# Altium PCB AXP221sBreakout.PcbDoc (continued)
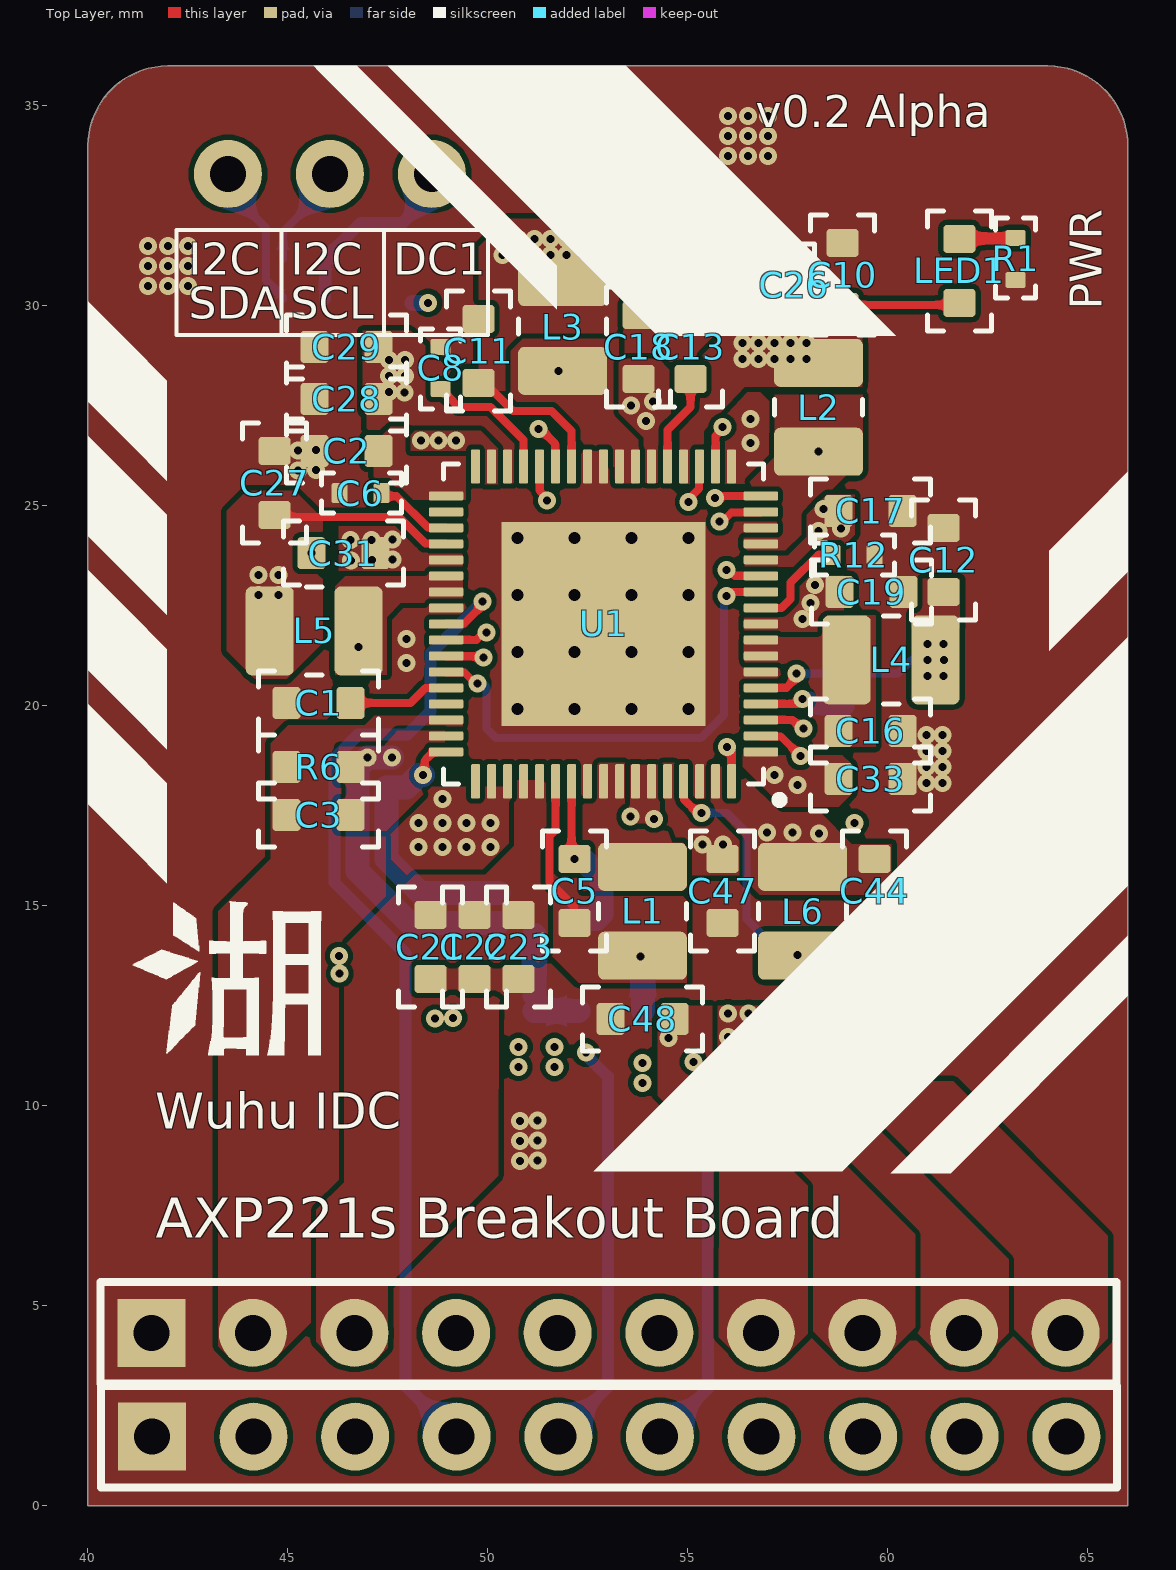
[diagram p0: Top Layer view]
## Components (designator, comment, footprint, x,y, rotation, side; value= is the part's Value field where it differs from the comment)
C1 "1uF" C0603 46.565,20.075 r180 top
C2 "1uF" C0603 47.265,26.375 r180 top
C3 "1uF" C0603 46.565,17.275 r180 top
C4 "10uF" C0603 49.565,12.375 r0 bottom
C5 "1uF" C0603 52.165,14.574 r90 top
C6 "4.7uF" C0402 47.339,25.319 r180 top
C7 "10uF" C0603 55.483,13.739 r180 bottom
C8 "4.7uF" C0402 48.815,27.924 r90 top
C9 "10uF" C0603 53.865,15.274 r90 bottom
C10 "10uF" C0603 58.865,29.974 r90 top
C11 "10uF" C0603 49.765,28.074 r90 top
C12 "10uF" C0603 61.39,22.849 r90 top
C13 "10uF" C0603 55.065,29.775 r270 top
C14 "1nF" C0603 58.265,26.354 r90 bottom
C15 "1nF" C0603 51.865,28.574 r90 bottom
C16 "1nF" C0603 58.765,19.374 r0 top
C17 "10uF" C0603 58.765,24.874 r0 top
C18 "10uF" C0603 53.765,28.174 r90 top
C19 "10uF" C0603 58.79,22.849 r0 top
C20 "4.7uF" C0603 58.965,19.975 r0 bottom
C21 "22uF" C0603 48.565,13.174 r90 top
C22 "22uF" C0603 49.665,13.174 r90 top
C23 "10uF" C0603 50.765,13.174 r90 top
C26 "0.1uF" C0402 57.661,31.051 r270 top
C27 "10uF" C0603 44.665,24.774 r90 top
C28 "10uF" C0603 47.265,27.675 r180 top
C29 "0.1uF" C0603 45.665,28.974 r0 top
C30 "1nF" C0603 46.565,21.374 r180 bottom
C31 "10uF" C0603 47.188,23.819 r180 top
C32 "10uF" C0603 49.765,27.274 r90 bottom
C33 "10uF" C0603 58.765,18.174 r0 top
C44 "10uF" C0603 59.665,16.174 r270 top
C45 "1nF" C0603 57.465,13.974 r90 bottom
C46 "10uF" C0603 59.333,23.508 r270 bottom
C47 "10uF" C0603 55.865,16.175 r270 top
C48 "4.7uF" C0603 53.065,12.174 r0 top
C49 "4.7uF" C0603 60.865,17.074 r180 bottom
C50 "4.7uF" C0603 59.165,14.175 r270 bottom
C51 "4.7uF" C0603 60.565,14.175 r270 bottom
L1 "1.5uH" L2520 53.865,13.754 r90 top
L2 "2.2uH" L2520 58.265,26.354 r90 top
L3 "2.2uH" L2520 51.865,28.374 r90 top
L4 "2.2uH" L2520 58.97,21.149 r0 top
L5 "2.2uH" L2520 46.765,21.874 r180 top
L6 "2.2uH" L2520 57.865,13.754 r90 top
LED1 "LED_RED" LED0603_RED 61.787,30.074 r90 top
Q1 "WPM1481" WPM1481 52.065,14.024 r90 bottom
R1 "330R" R0402 63.191,31.698 r270 top
R2 "10K 1%" R0402 47.065,30.074 r0 bottom
R5 "2.2K" R0402 44.878,30.172 r0 bottom
R6 "0R" R0603 46.565,18.475 r180 top
R7 "2.2K" R0402 44.878,31.178 r0 bottom
R10 "0R" R0603 53.865,12.374 r180 bottom
R12 "0R" R0402 59.665,23.774 r180 top
U1 "AXP221S" AXP221S 52.89,22.049 r180 top

## Footprints (in the part's own frame and the unit in brackets; to place one, negate y for a bottom-side part, rotate by r counter-clockwise, add the part's x,y. Pads: shape width x height; smd on the part's side, far side on the other; paste and mask are expansions set on the pad)
AXP221S [mm]
  rrect25% 0.86x0.22 smd: 1(-3.935,3.2) 2(-3.935,2.8) 3(-3.935,2.4) 4(-3.935,2) 5(-3.935,1.6) 6(-3.935,1.2) 7(-3.935,0.8) 8(-3.935,0.4) 9(-3.935,0) 10(-3.935,-0.4) 11(-3.935,-0.8) 12(-3.935,-1.2) 13(-3.935,-1.6) 14(-3.935,-2) 15(-3.935,-2.4) 16(-3.935,-2.8) 17(-3.935,-3.2) 35(3.935,-3.2) 36(3.935,-2.8) 37(3.935,-2.4) 38(3.935,-2) 39(3.935,-1.6) 40(3.935,-1.2) 41(3.935,-0.8) 42(3.935,-0.4) 43(3.935,0) 44(3.935,0.4) 45(3.935,0.8) 46(3.935,1.2) 47(3.935,1.6) 48(3.935,2) 49(3.935,2.4) 50(3.935,2.8) 51(3.935,3.2)
  rrect25% 0.22x0.86 smd: 18(-3.2,-3.935) 19(-2.8,-3.935) 20(-2.4,-3.935) 21(-2,-3.935) 22(-1.6,-3.935) 23(-1.2,-3.935) 24(-0.8,-3.935) 25(-0.4,-3.935) 26(0,-3.935) 27(0.4,-3.935) 28(0.8,-3.935) 29(1.2,-3.935) 30(1.6,-3.935) 31(2,-3.935) 32(2.4,-3.935) 33(2.8,-3.935) 34(3.2,-3.935) 52(3.2,3.935) 53(2.8,3.935) 54(2.4,3.935) 55(2,3.935) 56(1.6,3.935) 57(1.2,3.935) 58(0.8,3.935) 59(0.4,3.935) 60(0,3.935) 61(-0.4,3.935) 62(-0.8,3.935) 63(-1.2,3.935) 64(-1.6,3.935) 65(-2,3.935) 66(-2.4,3.935) 67(-2.8,3.935) 68(-3.2,3.935)
  rect 5.1x5.1 smd paste-4: 69(0,0)
  silkscreen extent -4.5,-4 4,4.5, body extent -4,-4 4,4, height 0.88
C0402 [mm]
  rrect25% 0.4x0.5 smd: 1(0,0) 2(1.05,0)
  silkscreen extent -0.5,-0.5 1.5,0.5, body extent 0.03,-0.26 1.03,0.26, height 0.53
C0603 [mm]
  rrect25% 0.7x0.8 smd: 1(0,0) 2(1.6,0)
  silkscreen extent -0.7,-0.8 2.3,0.8, body extent 0,-0.41 1.6,0.41, height 0.81
L2520 [mm]
  rrect25% 1.2x2.22 smd: 1(0,0) 2(2.22,0)
  silkscreen extent 0.92,-1.1 1.3,1.1, body extent -0.14,-1 2.36,1, height 1
LED0603_RED [mm]
  rrect25% 0.7x0.8 smd: 1(0,0) 2(1.6,0)
  silkscreen extent -0.7,-0.8 2.3,0.8, body extent 0.02,-0.38 1.63,0.43, height 0.61
R0402 [mm]
  rrect25% 0.4x0.5 smd: 1(0,0) 2(1.05,0)
  silkscreen extent -0.5,-0.5 1.5,0.5, body extent 0,-0.25 1,0.25, height 0.3
R0603 [mm]
  rrect25% 0.7x0.8 smd: 1(0,0) 2(1.6,0)
  silkscreen extent -0.7,-0.8 2.3,0.8, body extent 0,-0.4 1.6,0.4, height 0.4
WPM1481 [mm]
  rrect25% 0.35x0.6 smd: 1(0,-1.8) 2(0.65,-1.8) 3(1.3,-1.8) 4(1.3,0) 5(0.65,0) 6(0,0)
  rrect25% 0.35x0.56 smd: 7(1.3,-0.9)
  rrect25% 0.9x0.8 smd: 8(0.25,-0.9)
  silkscreen extent -0.82,-1.9 -0.63,-1.7, body extent -0.38,-1.83 1.73,0, height 0.6

## Part data
C1 C2 C3 C5: library part C_1UF
C4 C7 C9 C10 C11 C12 C13 C17 C18 C19 C23 C27 C28 C31 C32 C33 C44 C46 C47: library part C_10UF
C6 C8 C20 C48 C49 C50 C51: library part C_4.7UF
C14 C15 C16 C30 C45: library part C_1NF
C21 C22: library part C_22UF
C26 C29: library part C_0.1UF
L1: library part L_1.5UH
L2 L3 L4 L5 L6: library part L_2.2UH
R1: library part R_330R
R2: library part R_10K_P1
R5 R7: library part R_2.2K
R6 R10 R12: library part R_0R

## Free pads (board coordinates)
  rect 1.7x1.7 hole 0.9: 1(41.584,4.326) 1(41.6,1.731)
  round 1.7 hole 0.9: 1(43.5,33.3) 2(44.124,4.326) 2(44.14,1.731) 2(46.05,33.3) 2(48.6,33.3) 3(46.664,4.326) 3(46.68,1.731) 4(49.204,4.326) 4(49.22,1.731) 5(51.744,4.326) 5(51.76,1.731) 6(54.284,4.326) 6(54.3,1.731) 7(56.824,4.326) 7(56.84,1.731) 8(59.364,4.326) 8(59.38,1.731) 9(61.904,4.326) 9(61.92,1.731) 10(64.444,4.326) 10(64.46,1.731)

## Via types
v1: diameter 0.45, hole 0.2, Top Layer to Bottom Layer, tented both sides, 181 vias
v2: diameter 0.8, hole 0.3, Top Layer to Bottom Layer, 16 vias

## Nets (pads, with @x,y where several pads share a name; then routed paths per layer and width w, separated by ;. In a path a pad name is that pad's centre, name@x,y a point inside that pad or via, vN(x,y) a via of type N, cw(c..) or ccw(c..) an arc to the next point about the centre after c; other vN are vias at no path point)
EMMC_CMD: 
EMMC_D0: 
EMMC_D1: 
EMMC_D2: 
EMMC_D3: 
EMMC_D4: 
EMMC_D5: 
EMMC_D6: 
EMMC_D7: 
EMMC_RST: 
FLASH_CLK: 
FLASH_CS: 
FLASH_MISO: 
FLASH_MOSI: 
GND: C1.2 C2.2 C4.1 C6.2 C7.1 C8.2 C9.1 C10.2 C11.2 C12.2 C13.1 C14.2 C15.2 C16.2 C17.2 C18.2 C19.2 C20.2 C21.1 C22.1 C23.1 C26.1 C27.2 C28.2 C29.1 C30.2 C31.2 C32.2 C33.2 C44.2 C45.2 C46.2 C47.2 C48.1 C49.1 C50.1 C51.1 pad.1@41.6,1.731 pad.1@41.584,4.326 R1.2 R2.1 R12.1 U1.6 U1.15 U1.26 U1.27 U1.42 U1.59 U1.66 U1.69
  other v1: 50.801,8.618 51.243,8.636 50.801,9.118 51.243,9.136 50.801,9.618 51.243,9.636 48.683,12.182 49.125,12.2 46.293,13.308 46.275,13.75 60.965,18.074 61.365,18.074 60.965,18.474 61.365,18.474 60.965,18.874 61.365,18.874 60.965,19.274 61.365,19.274 47.965,21.074 47.965,21.674 45.588,23.819 45.258,25.882 45.7,25.9 45.258,26.382 45.7,26.4 41.5,30.5 42,30.5 42.5,30.5 41.5,31 42,31 42.5,31 41.5,31.5 42,31.5 42.5,31.5 56,33.75 56.5,33.75 57,33.75 56,34.25 56.5,34.25 57,34.25 56,34.75 56.5,34.75 57,34.75
  other v2: 50.74,19.924 52.165,19.924 53.59,19.924 55.015,19.924 50.74,21.35 52.165,21.35 53.59,21.35 55.015,21.35 50.74,22.774 52.165,22.774 53.59,22.774 55.015,22.774 50.74,24.199 52.165,24.199 53.59,24.199 55.015,24.199
LED_DISK: 
LED_ERROR: 
LED_IDENT: 
NetC1_1: C1.1 U1.47 | length 2.5
  Top Layer w0.2: C1.1 48.065,20.074 48.44,20.449 U1.47
NetC2_1: C2.1 U1.35
NetC3_1: C3.1 C4.2 C5.2 Q1.1 Q1.2 Q1.5 Q1.6 Q1.8 R6.1 R10.2 U1.50 U1.58 | length 14.8
  Top Layer w0.2: U1.58 52.09,16.249 v1(52.165,16.174)
  Bottom Layer w0.6: v1(47.603,18.706) v1(46.99,18.706) 46.736,18.452 46.736,15.876 48.037,14.574 Q1.2@50.265,14.574 ; C4.2 R10.2 ; C4.2@51.165,12.774 Q1.8 ; Q1.5 52.715,14.674 52.84,14.799 52.84,15.699 52.365,16.174 v1(52.165,16.174)
NetC5_1: C5.1 C7.2 L1.1 R10.1 U1.57 | length 5.3
  Top Layer w0.2: U1.57 51.69,16.899 51.538,16.747 51.538,15.601 52.165,14.974 C5.1
  Bottom Layer w0.2: v1(53.81,13.734) C7.2@53.874,13.671 ; R10.1 R10.1@53.874,12.383
  Bottom Layer w0.6: R10.1@53.874,12.383 C7.2@53.874,13.671
NetC6_1: C6.1 U1.37 | length 1.9
  Top Layer w0.2: C6.1@47.365,25.244 47.716,25.244 48.5,24.459 48.945,24.459 U1.37
NetC8_1: C8.1 U1.31 | length 3.3
  Top Layer w0.2: C8.1@48.765,27.925 C8.1 49.265,27.474 50.065,27.474 50.89,26.65 U1.31
NetC9_2: C9.2 U1.62 U1.63
  other v1: 54.152,17.175 53.558,17.233
NetC13_2: C13.2 U1.22 | length 2.4
  Top Layer w0.2: U1.22 54.49,26.899 55.065,27.474 C13.2
NetC14_1: C14.1 L2.1 U1.14
  other v1: 58.265,26.354
NetC15_1: C15.1 L3.1 U1.24 U1.25
  other v1: 51.765,28.374
NetC16_1: C16.1 L4.1 U1.7 U1.8
NetC17_1: C17.1 C18.1 C19.1 C31.1 C32.1 C33.1 C46.1 C47.1 Q1.4 Q1.7 U1.1 U1.9 U1.13 U1.18 U1.23 U1.33 U1.39 U1.53 U1.54 U1.64
  other v1: 48.265,16.474 48.865,16.474 49.465,16.474 50.065,16.474 55.368,16.541 55.878,16.536 48.265,17.074 48.865,17.074 49.465,17.074 50.065,17.074 48.865,17.674 57.743,18.027 57.165,18.274 57.865,22.174 58.065,22.574 58.176,23.017 46.582,23.634 47.106,23.649 47.617,23.662 46.559,24.142 47.087,24.151 47.613,24.156 58.265,24.374 58.822,24.433 58.391,24.923 56.565,26.574 48.328,26.63 48.762,26.63 49.197,26.63 53.948,27.124 56.565,27.174 53.578,27.514 54.133,27.607
NetC20_1: C20.1 U1.4 | length 2.3
  Top Layer w0.2: U1.4 57.696,20.049 57.82,20.175 v1(57.865,20.175)
  Bottom Layer w0.4: v1(57.865,20.175) 57.874,20.165 58.054,20.165 58.245,19.975 C20.1
NetC30_1: C30.1 L5.1 U1.40 U1.41
  other v1: 46.765,21.474
NetC44_1: C44.1 L6.2 pad.8@59.364,4.326 U1.67 | length 8.9
  Int4 (PWR) w0.4: v1(56.518,12.307) 56.522,12.311 57.147,12.936 57.815,12.936 58.415,13.535 58.415,14.112 58.638,14.335 58.638,16.439 58.277,16.8 v1(58.277,16.813)
  Int4 (PWR) w0.6: v1@55.99,12.304 55.99,11.126 v1(56.005,11.126) v1@56.551,11.126 ; v1@56.522,12.311 56.558,12.311 v1@56.558,11.126
  other v1: 56.518,11.122 56.005,11.719 56.518,11.714 56.005,12.311 56.973,16.83 57.614,16.83
NetC45_1: C45.1 L6.1 U1.65 | length 5.8
  Top Layer w0.2: U1.65 54.9,18.105 54.9,17.66 55.195,17.364 55.303,17.364 v1(55.341,17.326)
  Bottom Layer w0.2: v1(55.341,17.326) 55.979,17.326 56.465,16.84 56.465,14.674 57.165,13.974 C45.1
  other v1: 57.745,13.774
NetC48_2: C48.2 pad.7@56.824,4.326 U1.20 | length 23.6
  Top Layer w0.2: v1(55.019,25.103) 55.019,25.17 55.28,25.431 55.28,25.974 U1.20
  Int1 (GND) w0.4: v1(54.517,11.693) 54.517,13.381 56.6,15.465 59.6,15.465 60.392,16.256 60.392,18.293 59.165,19.52 59.165,23.274 58.765,23.674 57.665,23.674 57.065,24.274 57.065,25.374 56.545,25.895 55.597,25.895 55.029,25.327 55.029,25.112 v1(55.019,25.103)
NetC49_2: C49.2 pad.9@61.904,4.326 U1.16 | length 19.4
  Top Layer w0.2: v1(55.792,24.604) 55.859,24.604 56.095,24.839 U1.16@56.815,24.839
  Int4 (PWR) w0.4: v1(55.792,24.604) 56.503,23.893 56.563,23.893 57.265,23.192 57.265,21.874 57.665,21.474 58.765,21.474 59.165,21.074 v1(59.165,17.074) 59.165,14.116 58.942,13.893 58.942,13.317 v1@57.928,12.303
  Int4 (PWR) w0.6: v1(57.409,12.301) v1(57.409,11.708) 57.409,11.123 57.922,11.123 57.977,11.179 57.977,12.253 57.928,12.303 57.922,12.309 v1@57.424,12.309
  other v1: 57.409,11.115 57.922,11.111 57.922,11.704 57.922,12.297
NetC50_2: C50.2 pad.10@64.444,4.326 U1.17 | length 20.7
  Top Layer w0.2: v1(55.683,25.2) 55.719,25.164 55.798,25.164 55.884,25.249 U1.17@56.805,25.249
  Int4 (PWR) w0.4: v1(55.683,25.2) 55.693,25.191 56.449,25.191 57.817,23.823 58.383,23.823 58.865,23.34 58.865,22.153 59.729,21.288 59.729,13.936 59.469,13.675 59.469,12.298 59.461,12.29 v1(58.892,12.29)
  Int4 (PWR) w0.6: v1(58.892,12.29) v1(58.892,11.698) 58.892,11.113 v1@59.453,11.113 ; v1@58.908,12.298 v1@59.461,12.298 ; v1@59.461,11.113 59.461,12.286 59.461,12.29 v1@59.461,12.298 ; v1@59.469,12.298 v1@59.461,12.298
  other v1: 58.892,11.105 59.405,11.101 59.405,11.693 59.405,12.286
NetC51_2: C51.2 pad.7@56.84,1.731 U1.19 | length 22.5
  Top Layer w0.2: U1.19 55.69,26.745 55.865,26.92 v1(55.865,26.974)
  Int4 (PWR) w0.4: v1(55.865,26.974) 55.865,26.174 56.312,25.727 58.412,25.727 59.465,24.674 59.465,22.401 60.292,21.575 60.292,13.547 60.867,12.972 v1(60.867,12.29)
  Int4 (PWR) w0.6: v1@60.298,12.282 v1(60.298,11.697) v1(60.298,11.105) v1(60.859,11.105) ; v1@60.314,12.29 v1(60.867,12.29) 60.867,11.697 v1@60.867,11.105
  other v1: 60.859,11.697 60.306,12.29
NetC52_2: 
NetC56_1: 
NetC57_1: 
NetC58_1: 
NetC59_1: 
NetC65_1: 
NetC67_1: 
NetC68_1: 
NetC78_2: 
NetDU1_L8: 
NetDU1_L9: 
NetDU2_L8: 
NetDU2_L9: 
NetJ1_33: 
NetJ1_35: 
NetJ1_37: 
NetJ1_39: 
NetJ1_41: 
NetJ1_43: 
NetJ1_45: 
NetJ1_51: 
NetJ1_53: 
NetJ1_55: 
NetJ1_57: 
NetJ1_59: 
NetJ1_61: 
NetJ1_63: 
NetJ1_65: 
NetJ1_67: 
NetJ1_69: 
NetJ1_71: 
NetJ1_73: 
NetJ1_75: 
NetJ1_77: 
NetJ1_78: 
NetJ1_79: 
NetJ1_80: 
NetJ1_81: 
NetJ1_83: 
NetJ1_84: 
NetJ1_85: 
NetJ1_86: 
NetJ1_87: 
NetJ1_89: 
NetJ1_90: 
NetJ1_91: 
NetJ1_92: 
NetJ1_93: 
NetJ1_94: 
NetJ1_95: 
NetJ1_96: 
NetJ1_97: 
NetJ1_99: 
NetJ1_100: 
NetJ1_101: 
NetJ1_103: 
NetJ1_105: 
NetJ1_107: 
NetJ1_109: 
NetJ1_110: 
NetJ1_111: 
NetJ1_113: 
NetJ1_115: 
NetJ1_117: 
NetJ1_119: 
NetJ1_121: 
NetJ1_123: 
NetJ1_125: 
NetJ1_126: 
NetJ1_129: 
NetJ1_131: 
NetJ1_133: 
NetJ1_135: 
NetJ1_136: 
NetJ1_137: 
NetJ1_139: 
NetJ1_140: 
NetJ1_141: 
NetJ1_146: 
NetJ1_148: 
NetJ1_152: 
NetJ1_154: 
NetJ1_158: 
NetJ1_160: 
NetJ1_164: 
NetJ1_166: 
NetJ1_212: pad.4@49.22,1.731 U1.43 | length 25.6
  Top Layer w0.2: U1.43 48.965,22.059 49.41,22.059 49.829,22.478 49.829,22.571 v1(49.867,22.609)
  Bottom Layer w0.3: pad.4@49.22,1.731 47.941,3.01 47.941,13.809 46.159,15.591 46.159,18.691 46.751,19.283 47.984,19.283 48.566,19.865 48.566,21.308 v1(49.867,22.609)
NetJ1_216: pad.4@49.204,4.326 U1.3 | length 13.3
  Top Layer w0.2: U1.3 57.613,19.649 57.826,19.437 v1(57.894,19.437)
  Int1 (GND) w0.4: v1(50.765,11.474) 51.138,11.847 51.138,13.093 54.789,16.744 54.789,17.555 55.658,18.423 56.205,18.423 57.209,19.427 57.884,19.427 v1(57.894,19.437)
  Int4 (PWR) w0.6: v1@50.765,10.982 v1(50.765,11.474)
  other v1: 50.762,10.977
NetJ1_222: pad.5@51.744,4.326 U1.2 | length 16.7
  Top Layer w0.2: U1.2 56.835,19.239 57.319,19.239 v1(57.812,18.746)
  Int1 (GND) w0.4: v1(51.665,11.474) 51.665,12.874 54.065,15.274 55.665,15.274 56.382,15.992 59.382,15.992 59.865,16.474 59.865,18.074 59.184,18.756 57.822,18.756 v1(57.812,18.746)
  Int4 (PWR) w0.6: v1@51.665,10.982 v1(51.665,11.474)
  other v1: 51.665,10.974
NetJ1_228: pad.5@51.76,1.731 R2.2 U1.30 | length 32
  Top Layer w0.2: U1.30 51.3,25.974 51.3,25.369 51.476,25.192 v1(51.476,25.138)
  Int4 (PWR) w0.2: v1(48.504,30.079) 48.504,28.635 51.476,25.663 v1(51.476,25.138) 51.476,13.524 52.447,12.553 v1(52.447,11.335)
  Bottom Layer w0.3: pad.5@51.76,1.731 53,2.971 53,10.729 52.447,11.283 v1(52.447,11.335)
  Bottom Layer w0.4: R2.2 48.115,30.079 v1(48.504,30.079)
NetJ1_230: pad.6@54.284,4.326 U1.68 | length 10.3
  Top Layer w0.2: v1(55.976,18.975) 55.976,18.907 56.09,18.794 U1.68
  Int4 (PWR) w0.4: v1(53.865,11.074) 53.965,11.174 53.965,12.292 54.465,12.792 54.465,14.489 54.704,14.728 54.704,17.913 55.187,18.397 55.388,18.397 55.967,18.975 v1(55.976,18.975)
  Int4 (PWR) w0.6: v1(53.861,10.578) 53.865,10.582 v1(53.865,11.074)
NetJ1_236: pad.6@54.3,1.731 U1.12 | length 24.1
  Top Layer w0.2: v1(55.965,23.402) 56.019,23.402 56.171,23.249 U1.12
  Int4 (PWR) w0.2: v1(55.141,11.102) 55.141,11.651 55.065,11.727 55.065,14.074 56.428,15.438 56.428,22.938 56.417,22.95 v1(55.965,23.402)
  Bottom Layer w0.3: pad.6@54.3,1.731 55.5,2.931 55.5,10.648 55.093,11.055 v1(55.141,11.102)
NetL1_2: L1.2 U1.60 U1.61
NetLED1_2: LED1.2 R1.1 | length 1.4
  Top Layer w0.3: LED1.2 61.799,31.686 63.18,31.686 R1.1
NetLED2_2: 
NetLED3_2: 
NetLED4_2: 
NetLED5_2: 
NetLED6_2: 
NetQ1_3: Q1.3 U1.51 | length 7
  Top Layer w0.2: v1(48.378,18.273) 48.423,18.318 48.423,18.638 48.635,18.849 U1.51
  Bottom Layer w0.6: v1(48.378,18.273) 48.273,18.273 47.961,17.961 47.463,17.961 47.463,16.177 48.315,15.324 Q1.3
NetR5_1: pad.1@43.5,33.3 R5.1 U1.45 | length 24.1
  Top Layer w0.2: U1.45 48.965,21.239 49.858,21.239 v1(49.893,21.204)
  Int4 (PWR) w0.2: pad.1@43.5,33.3 43.5,27.325 42.95,26.775 42.95,22.113 44.767,20.295 48.844,20.295 49.556,21.007 49.628,21.007 49.825,21.204 v1(49.893,21.204)
  Bottom Layer w0.2: pad.1@43.5,33.3 43.5,32.895 44.451,31.944 44.451,30.649 44.878,30.222 R5.1
NetR7_1: pad.2@46.05,33.3 R7.1 U1.44 | length 23.8
  Top Layer w0.2: U1.44 49.709,21.649 49.891,21.831 v1(49.959,21.831)
  Int4 (PWR) w0.2: pad.2@46.05,33.3 43.827,31.077 43.827,27.19 43.277,26.64 43.277,22.248 44.903,20.622 48.709,20.622 49.029,20.943 49.029,20.98 49.706,21.656 49.716,21.656 49.891,21.831 v1(49.959,21.831)
  Bottom Layer w0.2: R7.1 44.878,31.853 46.05,33.025 pad.2@46.05,33.3
NetR9_1: U1.29 | length 1.1
  Top Layer w0.2: v1(51.266,26.92) 51.319,26.92 51.68,26.56 51.68,25.995 U1.29
NetR12_2: R12.2 U1.10 | length 2.6
  Top Layer w0.2: U1.10 57.34,22.449 57.565,22.674 57.565,23.082 58.257,23.774 R12.2
NetR13_1: 
NetR14_1: 
NetR18_1: 
NetR18_2: 
NetR23_2: 
NetR27_2: 
NetR28_2: 
RGMII_CLKIN: 
RGMII_MDC: 
RGMII_MDIO: 
RGMII_RX0: 
RGMII_RX1: 
RGMII_RX2: 
RGMII_RX3: 
RGMII_RXCK: 
RGMII_RXCTL: 
RGMII_TXCK: 
RGMII_TXCTL: 
RGMII_TXD0: 
RGMII_TXD1: 
RGMII_TXD2: 
RGMII_TXD3: 
SA0: 
SA1: 
SA2: 
SA3: 
SA4: 
SA5: 
SA6: 
SA7: 
SA8: 
SA9: 
SA10: 
SA11: 
SA12: 
SA13: 
SA14: 
SA15: 
SBA0: 
SBA1: 
SBA2: 
SCAS: 
SCK_N: 
SCK_P: 
SCKE0: 
SCKE1: 
SCS0: 
SCS1: 
SDQ0: 
SDQ1: 
SDQ2: 
SDQ3: 
SDQ4: 
SDQ5: 
SDQ6: 
SDQ7: 
SDQ8: 
SDQ9: 
SDQ10: 
SDQ11: 
SDQ12: 
SDQ13: 
SDQ14: 
SDQ15: 
SDQ16: 
SDQ17: 
SDQ18: 
SDQ19: 
SDQ20: 
SDQ21: 
SDQ22: 
SDQ23: 
SDQ24: 
SDQ25: 
SDQ26: 
SDQ27: 
SDQ28: 
SDQ29: 
SDQ30: 
SDQ31: 
SDQM0: 
SDQM1: 
SDQM2: 
SDQM3: 
SDQS0_N: 
SDQS0_P: 
SDQS1_N: 
SDQS1_P: 
SDQS2_N: 
SDQS2_P: 
SDQS3_N: 
SDQS3_P: 
SODT0: 
SODT1: 
SRAS: 
SRST: 
SVREF: 
SWE: 
TX0_N: 
TX0_P: 
TX1_N: 
TX1_P: 
TX2_N: 
TX2_P: 
TXC_N: 
TXC_P: 
USB0_N: 
USB0_P: 
USB1_N: 
USB1_P: 
USB2_N: 
USB2_P: 
USB3_N: 
USB3_P: 
VCC3V3-AUDIO: C28.1 C29.2 pad.2@44.14,1.731 U1.32
  other v1: 47.53,27.849 47.918,27.84 47.53,28.249 47.93,28.249 47.53,28.649 47.93,28.649
VCC3V3-EMMC: C10.1 C26.2 L2.2 LED1.1 pad.2@48.6,33.3 pad.9@61.92,1.731 R5.2 R7.2 U1.21 | length 18.8
  Top Layer w0.2: C10.1 58.915,29.974 58.965,30.025 61.737,30.025 LED1.1
  Int4 (PWR) w0.3: pad.2@48.6,33.3 54.075,33.3 57.165,30.21 v1(57.165,29.074)
  Bottom Layer w0.3: R5.2 45.928,31.178 45.928,31.228 46.028,31.328 46.078,31.328 46.825,32.075 47.875,32.075 48.6,32.8 pad.2@48.6,33.3
  other v1: 56.365,28.674 56.765,28.674 57.165,28.674 57.565,28.674 57.965,28.674 56.365,29.074 56.765,29.074 57.565,29.074 57.965,29.074
VCC3V3-RTC: U1.11 U1.46 | length 12.4
  Top Layer w0.2: U1.46 48.965,20.839 49.41,20.839 49.694,20.555 v1(49.743,20.555) ; v1(55.964,22.753) 56.031,22.753 56.127,22.849 U1.11
  Bottom Layer w0.2: v1@49.815,20.627 49.967,20.475 49.967,19.433 50.2,19.2 55.331,19.2 55.9,19.769 55.9,22.541 v1@56.082,22.723
VCC-1V2-CPU: C11.1 L3.2 pad.10@64.46,1.731 U1.28 | length 3.5
  Top Layer w0.2: C11.1@49.927,28.074 50.627,27.374 51.587,27.374 52.09,26.872 U1.28
  other v1: 50.365,31.275 50.765,31.275 51.165,31.275 51.565,31.275 51.965,31.275 52.365,31.275 50.365,31.675 50.765,31.675 51.165,31.675 51.565,31.675 51.965,31.675 52.365,31.675
VCC-1V2-SYS: C27.1 L5.2 pad.3@46.68,1.731 U1.38 | length 4.8
  Top Layer w0.2: C27.1@44.419,24.72 47.777,24.72 48.364,24.132 48.366,24.132 48.439,24.059 48.945,24.059 U1.38
  other v1: 44.265,22.774 44.765,22.774 44.265,23.274 44.765,23.274
VCC-1V5: C12.1 L4.2 pad.8@59.38,1.731 U1.5 | length 4.5
  Top Layer w0.2: U1.5 57.459,20.449 57.676,20.666 57.676,20.768 v1(57.714,20.806)
  Bottom Layer w0.2: v1(57.714,20.806) 60.247,20.806 60.59,21.15 v1(60.99,21.15)
  other v1: 60.99,20.749 61.39,20.749 61.407,21.143 60.99,21.55 61.39,21.55
VCC-5V: C21.2 C22.2 C23.2 pad.3@46.664,4.326 U1.55 U1.56
VCC-BAT: C3.2 pad.2@44.124,4.326 R6.2 U1.49
VDD1V2-EPHY: 
VDD-CPUS: 
pads on no net: U1.34 U1.36 U1.48 U1.52

## Polygon pours and split planes (outlines as drawn)
GND on Top Layer "GND_L01_P101" (solid, remove dead copper, pour order 101): 40,0 40,34 cw(c42,34) 42,36 64,36 cw(c64,34) 66,34 66,0
VCC3V3-EMMC on Top Layer "VCC3V3-EMMC_L01_P029" (solid, pour order 29): 59.352,30.274 59.352,27.974 56.417,27.974 55.39,26.872 55.39,25.549 54.79,25.549 54.79,28.199 56.865,30.274
VCC3V3-AUDIO on Top Layer "VCC3V3-AUDIO_L01_P071" (solid, pour order 71): 50.783,25.568 50.783,26.656 48.065,29.374 46.865,29.374 46.865,27.374 46.965,27.274 46.965,26.795 48.191,25.568
NetC15_1 on Top Layer "NETC15_1_L01_P048" (solid, pour order 48): 53.903,25.571 53.903,26.641 53.265,27.28 53.265,29.174 50.865,29.174 50.565,28.874 50.565,25.984 53.169,25.984 53.167,25.573
VCC-BAT on Top Layer "VCC-BAT_L01_P078" (solid, pour order 78): 49.365,18.974 46.204,18.974 46.104,18.874 44.565,18.874 44.565,19.066 45.014,19.516 46.92,19.516 47.162,19.758 49.365,19.758
NetC17_1 on Top Layer "NETC17_1_L01_P057" (solid, pour order 57): 56.279,15.765 56.279,16.648 54.786,18.14 54.786,18.574 54.303,18.574 54.303,15.778
NetC2_1 on Top Layer "NETC2_1_L01_P052" (solid, pour order 52): 47.565,26.974 49.45,26.974 49.45,25.153 47.148,25.153 47.148,26.558
NetC17_1 on Top Layer "NETC17_1_L01_P047" (solid, pour order 47): 54.365,25.574 54.365,26.774 54.565,26.974 54.565,28.374 54.265,28.674 53.365,28.674 53.265,28.574 53.265,27.334 53.891,26.708 53.891,25.574
NetC14_1 on Top Layer "NETC14_1_L01_P045" (solid, pour order 45): 56.381,23.951 56.458,23.874 57.965,23.874 57.965,24.774 59.365,26.174 59.365,27.774 57.165,27.774 57.165,26.229 56.388,25.452
NetC17_1 on Top Layer "NETC17_1_L01_P044" (solid, pour order 44): 56.42,23.48 58.37,23.48 59.165,24.274 59.165,25.274 58.465,25.274 57.965,24.774 57.965,24.226 57.494,23.756 56.411,23.756
NetC17_1 on Top Layer "NETC17_1_L01_P041" (solid, pour order 41): 56.365,18.768 58.86,18.768 59.065,18.563 59.065,17.774 58.765,17.474 57.365,17.474 56.365,18.474
NetC16_1 on Top Layer "NETC16_1_L01_P039" (solid, pour order 39): 56.453,22.261 59.678,22.261 59.69,22.249 59.69,18.974 58.565,18.974 56.415,18.974 56.39,21.149 56.39,21.549 56.39,22.183
NetC17_1 on Top Layer "NETC17_1_L01_P037" (solid, pour order 37): 58.89,23.249 56.39,23.249 56.39,21.849 58.89,21.849
NetC3_1 on Top Layer "NETC3_1_L01_P017" (solid, pour order 17): 47.388,18.974 47.739,19.374 48.385,19.374 48.916,19.374 48.916,18.326 47.465,16.874 46.165,16.874 46.165,18.974
VCC-5V on Top Layer "VCC-5V_L01_P000" (solid, pour order 0): 46.24,3.571 45.712,4.1 45.712,7.401 46.406,8.096 46.406,14.006 48.175,15.774 49.934,15.774 50.663,16.504 50.663,18.142 51.495,18.152 51.495,13.804 50.265,12.574 50.256,8.256 47.5,5.5 47.5,3.955 47.115,3.571
NetC50_2 on Top Layer "NETC50_2_L01_P093" (solid, pour order 93): 58.49,12.5 58.49,10.76 63.113,6.137 63.124,4.45 63.974,3.6 64.911,3.6 65.5,4.189 65.5,5.578 65.5,6.75 61.63,10.62 60.197,10.62 59.75,11.067 59.75,12.5
VCC-BAT on Top Layer "VCC-BAT_L01_P016" (solid, pour order 16): 45.223,19.066 46.333,19.066 46.333,16.743 47.446,16.725 47.446,9.196 45.695,7.445 45.695,4.695 44.589,3.589 43.657,3.589 43.26,3.986 43.26,14.87 44.565,16.174 44.565,19.066
NetC48_2 on Top Layer "NETC48_2_L01_P090" (solid, pour order 90): 55.603,12.5 55.603,10.397 58,8 58,4.3 57.4,3.7 56.298,3.7 55.776,4.222 55.78,8.72 54.25,10.25 54.25,12.5
NetC44_1 on Top Layer "NETC44_1_L01_P091" (solid, pour order 91): 55.75,10.25 58,8 57.999,4.501 58.897,3.603 59.817,3.603 60.687,4.473 60.687,6.787 56.965,10.509 56.965,12.5 55.75,12.5
NetC49_2 on Top Layer "NETC49_2_L01_P092" (solid, pour order 92): 56.978,12.499 56.978,10.522 60.75,6.75 60.741,4.315 61.528,3.528 62.212,3.528 63.017,4.333 63.017,6.168 58.398,10.786 58.398,12.5
NetC44_1 on Top Layer "NETC44_1_L01_P058" (solid, pour order 58): 55.565,18.474 55.565,17.195 56.411,16.349 56.411,15.654 56.79,15.274 60.089,15.274 60.089,16.543 59.096,16.543 58.761,16.878 57.165,18.474 56.365,18.474
NetC17_1 on Top Layer "NETC17_1_L01_P046" (solid, pour order 46): 56.655,25.554 57.049,25.948 57.049,27.59 56.765,27.874 56.334,27.874 55.865,27.405 55.865,25.554
NetC17_1 on Top Layer "NETC17_1_L01_P050" (solid, pour order 50): 49.369,23.769 49.369,23.381 46.265,23.381 46.265,24.69 48.669,24.69 49.369,23.99
NetL1_2 on Top Layer "NETL1_2_L01_P053" (solid, pour order 53): 52.365,18.574 52.365,15.374 54.969,15.374 54.961,16.586 54.603,16.579 54.417,17.051 53.711,17.031 53.418,17.324 53.415,18.574
NetC5_1 on Top Layer "NETC5_1_L01_P059" (solid, pour order 59): 51.495,15.204 51.265,14.974 51.265,14.074 52.265,13.074 54.965,13.074 54.968,13.078 54.968,15.465 54.459,15.974 51.565,15.974
VCC-1V2-CPU on Top Layer "VCC-1V2-CPU_L01_P061" (solid, pour order 61): 53.265,31.574 53.265,29.174 51.965,27.874 50.065,27.874 49.765,28.174 49.765,31.474 50.465,32.174 52.665,32.174
VCC-1V2-SYS on Top Layer "VCC-1V2-SYS_L01_P077" (solid, pour order 77): 44.965,20.674 45.865,21.574 45.865,24.674 45.165,25.374 43.965,25.374 43.465,24.874 43.465,21.374 44.165,20.674
VCC-1V5 on Top Layer "VCC-1V5_L01_P040" (solid, pour order 40): 60.595,23.174 60.595,21.942 61.795,21.942 61.795,23.174
NetC17_1 on Top Layer "NETC17_1_L01_P022" (solid, pour order 22): 50.653,17.974 50.653,16.562 49.783,15.648 48.092,15.648 47.446,16.294 47.473,17.974
NetC30_1 on Top Layer "NETC30_1_L01_P051" (solid, pour order 51): 46.558,23.367 46.181,22.991 46.181,20.774 47.465,20.774 47.465,22.214 47.825,22.574 49.365,22.574 49.365,23.367
NetC17_1 on Top Layer "NETC17_1_L01_P049" (solid, pour order 49): 50.401,25.54 50.401,26.293 49.816,26.878 48.169,26.878 48.065,26.774 48.065,26.374 49.828,26.374 49.828,25.54
NetC9_2 on Top Layer "NETC9_2_L01_P055" (solid, pour order 55): 53.471,18.524 54.3,18.524 54.3,16.932 53.471,16.932
GND on Bottom Layer "GND_L04_P104" (solid, remove dead copper, pour order 104): 40,0 40,34 cw(c42,34) 42,36 64,36 cw(c64,34) 66,34 66,0
NetC17_1 on Bottom Layer "NETC17_1_L04_P018" (solid, pour order 18): 46.3,25.5 48.349,27.549 56.59,27.549 59.065,25.074 59.065,18.574 55.34,14.849 48.39,14.849 46.3,16.939
NetJ1_222 on Bottom Layer "NETJ1_222_L04_P070" (solid, pour order 70): 53,4.25 53,10.931 52.31,11.62 51.418,11.62 50.882,11.084 50.882,4.25
NetJ1_230 on Bottom Layer "NETJ1_230_L04_P062" (solid, pour order 62): 52.865,4.25 55.242,4.25 55.242,11.674 53.165,11.674 52.865,11.374
VCC-1V2-SYS on Bottom Layer "VCC-1V2-SYS_L04_P096" (solid, pour order 96): 43.539,24.182 43.025,23.668 43.025,11.725 45,9.75 45,2 45.25,1.75 46.068,0.932 46.932,0.932 47.737,1.737 47.737,10.513 45.25,13 45.25,19.75 44.5,20.5 44.5,24.177
NetJ1_216 on Bottom Layer "NETJ1_216_L04_P072" (solid, pour order 72): 50.075,4.25 51,5.175 51,11.674 48.749,11.674 48.289,11.214 48.277,4.25
VCC-1V2-CPU on Bottom Layer "VCC-1V2-CPU_L04_P099" (solid, pour order 99): 50.477,32.977 60.773,32.977 66,27.75 66,2 65,1 64,1 63.5,1.5 63.5,27.25 60.145,30.605 50.145,30.605 49.5,31.25 49.5,32
VCC3V3-EMMC on Bottom Layer "VCC3V3-EMMC_L04_P098" (solid, pour order 98): 56,28.8 56.342,28.458 59.208,28.458 62.25,25.415 62.25,6.237 61.037,4.963 60.981,4.144 60.981,1.463 61.037,1.463 61.5,1 62.5,1 63.25,1.75 63.577,2.077 63.577,26.923 60,30.5 56.5,30.5 56,30
VCC3V3-AUDIO on Bottom Layer "VCC3V3-AUDIO_L04_P097" (solid, pour order 97): 47.75,27.25 48.25,27.75 48.25,29 48,29.25 43.75,29.25 40.75,26.25 40.75,8 42.588,6.162 42.588,2.162 43.75,1 44.5,1 44.993,1.493 44.993,10.007 42.975,12.025 42.975,25.175 45.05,27.25 46.75,27.25
VCC-1V5 on Bottom Layer "VCC-1V5_L04_P095" (solid, pour order 95): 60.75,21.75 61.5,21.75 62.215,21.035 62.215,5.965 61,4.75 61,1.483 60.377,0.859 59.072,0.859 58.593,1.338 58.593,6.593 61.25,9.25 61.25,20.25 60.75,20.75
NetC51_2 on Bottom Layer "NETC51_2_L04_P094" (solid, pour order 94): 60.93,12.867 61.115,12.682 61.115,9.115 58.5,6.5 58.5,2.069 57.359,0.928 56.372,0.928 55.88,1.42 55.88,6.63 60,10.75 60,12.798
NetC3_1 on Bottom Layer "NETC3_1_L04_P030" (solid, pour order 30): 49.665,15.074 49.665,13.674 50.065,13.274 52.065,13.274 52.665,13.874 52.665,15.574 52.48,15.76 50.265,15.76
VCC-1V2-SYS on Bottom Layer "VCC-1V2-SYS_L04_P076" (solid, pour order 76): 43.464,22.575 43.465,23.674 43.965,24.174 44.626,24.174 45,23.8 45,22.608 44.679,22.274 43.765,22.274
NetC17_1 on Bottom Layer "NETC17_1_L04_P060" (solid, pour order 60): 58.065,24.974 58.365,25.274 58.665,25.274 59.765,24.174 59.765,23.55 59.614,23.399 58.065,23.399
GND on Bottom Layer "GND_L04_P008" (solid, pour order 8): 50.349,24.621 55.49,24.621 55.49,19.478 55.476,19.491 50.349,19.491
GND on Int4 (PWR) "GND_L03_P103" (solid, remove dead copper, pour order 103): 40,0 40,34 cw(c42,34) 42,36 64,36 cw(c64,34) 66,34 66,0
NetC44_1 on Int4 (PWR) "NETC44_1_L03_P069" (solid, pour order 69): 56.856,17.471 58.169,17.471 58.465,17.174 58.465,16.574 58.165,16.274 56.865,16.274 56.565,16.574 56.565,17.172
GND on Int1 (GND) "GND_L02_P102" (solid, remove dead copper, pour order 102): 40,0 40,34 cw(c42,34) 42,36 64,36 cw(c64,34) 66,34 66,0

## Silkscreen, mask and mechanical layers (free items; w line width, h text height)
Top Overlay:
  drawing of 28 lines, arcs and shapes, not listed
  text "v0.2 Alpha" at 56.7,34.467 h0.8
  text "I2C" at 42.516,30.775 h0.8
  text "I2C" at 45.075,30.775 h0.8
  text "DC1" at 47.634,30.775 h0.8
  text "PWR" at 65.35,29.9 h0.8 r90
  text "SDA" at 42.516,29.675 h0.8
  text "SCL" at 45.075,29.675 h0.8
  text "Wuhu IDC" at 41.68,9.43 h0.9
  text "AXP221s Breakout Board" at 41.7,6.7 h1
Bottom Overlay:
  drawing of 16 lines, arcs and shapes, not listed
  text "ATTENTION!!!" at 59.3,33.2 h1
  text "BE CAREFUL ESD" at 59.3,31.45 h1
  text "GND" at 42.575,9.931 h0.8
  text "BAT" at 45.129,9.931 h0.8
  text "5V" at 47.677,9.931 h0.8
  text "ELD" at 50.275,9.931 h0.8
  text "ELD" at 52.775,9.931 h0.8
  text "ELD" at 55.272,9.931 h0.8
  text "DLD" at 57.82,9.931 h0.8
  text "DC4" at 60.393,9.931 h0.8
  text "DLD" at 62.966,9.931 h0.8
  text "DLD" at 65.525,9.931 h0.8
  text "VIN" at 45.104,8.675 h0.8
  text "VIN" at 47.677,8.675 h0.8
  text "O3" at 50.275,8.675 h0.8
  text "O2" at 52.775,8.675 h0.8
  text "O1" at 55.272,8.675 h0.8
  text "O4" at 57.82,8.675 h0.8
  text "O3" at 62.966,8.675 h0.8
  text "O2" at 65.525,8.675 h0.8
  text "GND" at 42.581,7.303 h0.8
  text "ALD" at 45.129,7.303 h0.8
  text "DC3" at 47.702,7.303 h0.8
  text "PWR" at 50.275,7.303 h0.8
  text "NTC" at 52.8,7.303 h0.8
  text "PWR" at 55.297,7.303 h0.8
  text "DLD" at 57.82,7.303 h0.8
  text "DC5" at 60.418,7.303 h0.8
  text "DC1" at 62.966,7.303 h0.8
  text "DC2" at 65.55,7.303 h0.8
  text "O1" at 45.129,6.102 h0.8
  text "OK" at 50.275,6.102 h0.8
  text "KEY" at 55.297,6.102 h0.8
  text "O1" at 57.82,6.102 h0.8
Top Paste:
  text "Impedance" at -0.946,65.862 h1
  text "Value" at 13.454,65.862 h1
  text "Line Width" at 25.854,65.862 h1
  text "Line Clearance" at 37.167,65.862 h1
  text "/" at 37.067,60.77 h1
  text "Single-Ended" at -1.046,60.436 h1
  text "55 Ohm" at 13.354,60.436 h1
  text "4.99mil" at 25.754,60.436 h1
  text "Diff-Wires" at -1.046,55.77 h1
  text "100 Ohm" at 13.354,55.77 h1
  text "4.29mil" at 25.754,55.77 h1
  text "6.00mil" at 37.067,55.77 h1
Mechanical 1:
  the board outline again, w0.254